# Allegro board SDHCalFEB20180110.brd (continued)
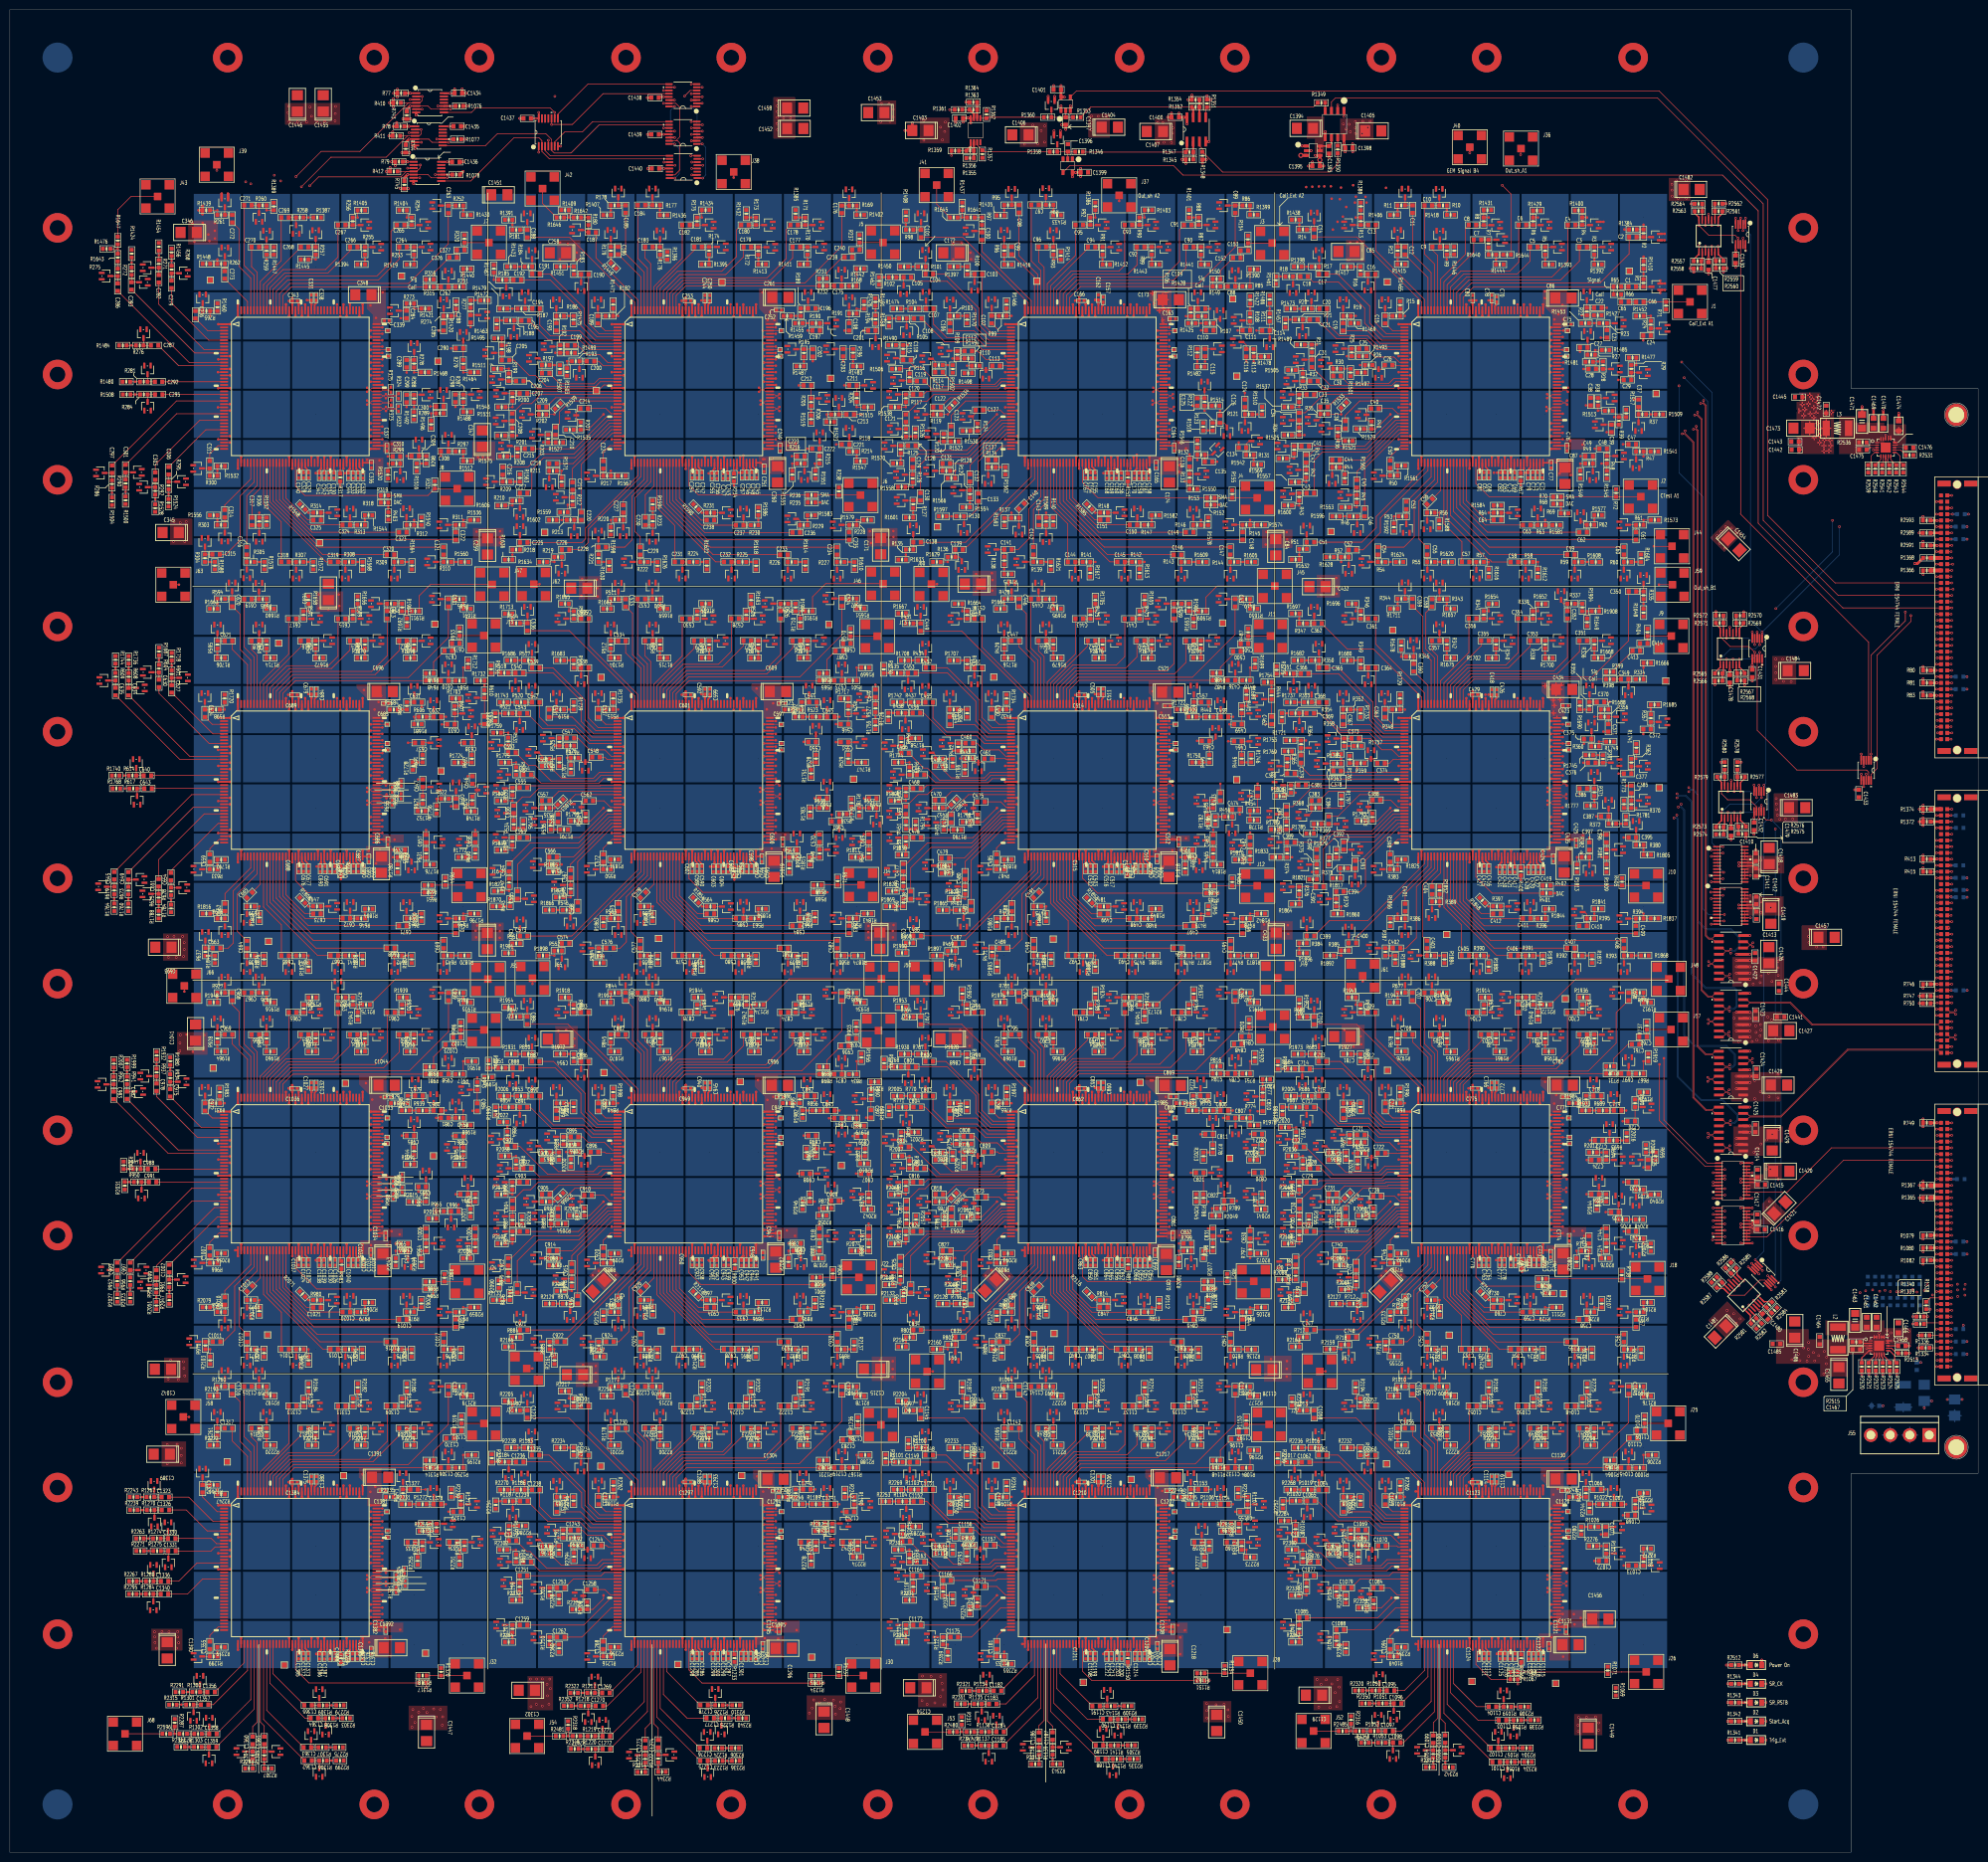
[diagram p0: board, top side]
## Routing (per net, layer and track width the routed paths; a pad name or vN(x,y) marks a point on that pad's centre or on a via; arc(x,y) is an arc through that point) (continued)
OUT_T&H_D: length 117.3
  TOP w0.127: v4(359,114.86) 358,115.86 U1069.8 ; v4(376.97,216.53) U1073.7
  SIG2 w0.127: v4(359,207.92) 365.81,207.92 374.42,216.53 v4(376.97,216.53)
  BOTTOM w0.127: v4(359,114.86) v4(359,207.92)
OUT_T&H_D1: length 65.1
  TOP w0.127: v4(353.68,111.2) U1081.3 ; U845.129 v1(306.57,74.5)
  GND1 w0.127: v1(306.57,74.5) v2(306.57,75.23)
  SIG3 w0.127: v4(353.68,111.2) 345.39,111.2 317.63,83.44 314.78,83.44 v2(306.57,75.23)
OUT_T&H_D2: length 146.4
  TOP w0.127: v4(354.6,112.12) U1081.5 ; U910.129 v1(226.56,74.5)
  GND1 w0.127: v1(226.56,74.5) v2(226.56,75.23)
  SIG3 w0.127: v4(354.6,112.12) 344.86,112.12 317.78,85.04 236.37,85.04 v2(226.56,75.23)
OUT_T&H_D3: length 225.3
  TOP w0.127: U975.129 v1(146.55,74.5) ; v4(351.6,115.12) U1081.10
  GND1 w0.127: v1(146.55,74.5) v2(146.55,75.23)
  SIG3 w0.127: v2(146.55,75.23) 158.44,87.12 317.91,87.12 343.87,113.08 350.8,113.08 351.6,113.88 v4(351.6,115.12)
OUT_T&H_D4: length 303.4
  TOP w0.127: U1040.129 v1(66.54,74.56) ; v4(350.68,114.2) 349.88,115
  GND1 w0.127: v1(66.54,74.56) v2(66.54,75.38)
  SIG3 w0.127: v2(66.54,75.38) 85.06,93.9 321.89,93.9 342.19,114.2 v4(350.68,114.2)
OUT_TRIG0B: length 298.7
  TOP w0.127: U1061.8 v4(138.48,344.76) ; J35.A27 v4(394.75,259.21)
  SIG2 w0.127: v4(138.48,344.76) 146.2,344.76 151.66,339.29 319.38,339.29 356.31,302.36 356.31,294 390.42,259.89 394.07,259.89 v4(394.75,259.21)
OUT_TRIG0B_A: length 384.3
  TOP w0.127: v4(80.87,343.52) U1060.1 ; v1(235.79,287.77) U130.85 ; U65.85 v1(313.41,287.77) ; U260.85 v1(73.38,287.77) ; v1(153.39,287.77) 154.57,287.77 U195.85 ; v4(138.66,342.16) U1061.4
  TOP w0.508: v4(80.87,343.52) 80.85,343.54 R79.2
  GND1 w0.127: v1(153.39,287.77) v2(152.65,287.77) ; v1(313.41,287.77) v2(312.67,287.77) ; v2(236.52,287.77) v1(235.79,287.77) ; v1(73.38,287.77) v2(72.64,287.77)
  SIG2 w0.127: v4(138.66,342.16) 133.68,342.16 132.99,342.85 127.53,342.85 126.36,344.02 81.37,344.02 v4(80.87,343.52) 65.86,328.51 65.86,294.55 v2(72.64,287.77) 79.11,287.77 80.42,286.46 106.5,286.46 107.12,287.08 118.55,287.08 119.81,285.83 129.82,285.83 131.76,287.77 v2(152.65,287.77) 180.73,287.77 182.73,285.78 208.31,285.78 210.3,287.77 v2(236.52,287.77) 239.23,287.77 246.41,280.59 288.52,280.59 293.09,285.17 306.27,285.17 308.88,287.77 v2(312.67,287.77)
OUT_TRIG0B_A&B: length 60.4
  TOP w0.127: v4(107.55,345.47) U1082.1 ; U1060.3 v4(80.87,342.22) ; v4(135.25,342.81) U1061.12
  SIG1 w0.127: v4(80.87,342.22) 104.3,342.22 v4(107.55,345.47) 132.6,345.47 v4(135.25,342.81)
OUT_TRIG0B_A&B&C&D: length 26.6
  TOP w0.127: U1082.3 108.85,345.79 109.88,344.76 U1061.9
OUT_TRIG0B_B: length 478.7
  TOP w0.127: U455.85 v1(153.39,207.76) ; U1060.4 82.73,341.57 83.48,342.32 v4(83.48,342.87) U1060.2 ; U1060.4 82.09,341.56 R412.2 ; U1060.4 80.63,341.57 79.53,340.46 62.8,340.46 v4(60.97,338.63) ; U390.85 v1(233.4,207.76) ; U325.85 v1(313.41,207.76) ; v4(140.89,342.81) U1061.5 ; U520.85 v1(73.38,207.76)
  GND1 w0.127: v1(73.38,207.76) v2(72.62,207.76) ; v1(313.41,207.76) v2(312.68,207.76) ; v1(153.39,207.76) v2(152.65,207.76) ; v1(233.4,207.76) v2(232.66,207.76)
  SIG2 w0.127: v4(60.97,338.63) 60.97,332.52 60.89,332.44 60.89,331.96 60.97,331.88 60.97,315.23 60.1,314.35 60.1,220.28 v2(72.62,207.76) 80.99,207.76 82.25,206.5 123.75,206.5 124.43,207.19 127,207.19 127.57,207.76 v2(152.65,207.76) 160.08,207.76 162.26,205.59 206.04,205.59 208.22,207.76 v2(232.66,207.76) 240.4,207.76 243.69,204.47 289.38,204.47 292.67,207.76 v2(312.68,207.76) ; v4(83.48,342.87) 126.53,342.87 127.89,341.5 139.59,341.5 v4(140.89,342.81)
OUT_TRIG0B_B&C: length 53.4
  TOP w0.127: U1060.6 v4(83.35,340.27) ; v4(133.02,343.46) U1061.11
  SIG1 w0.127: v4(83.35,340.27) 87.43,340.27 88.06,340.89 130.46,340.89 v4(133.02,343.46)
OUT_TRIG0B_C: length 557.4
  TOP w0.127: U715.85 v1(153.39,127.75) ; v4(80.87,340.92) U1060.5 85.04,340.92 85.69,340.27 U1060.9 v4(88.95,340.27) ; U585.85 v1(313.41,127.75) ; U1061.6 139.77,343.46 v4(138.66,343.46) ; U650.85 v1(233.4,127.75) ; U780.85 v1(73.38,127.75)
  TOP w0.508: v4(80.87,340.92) 80.23,340.27 R745.2
  GND1 w0.127: v1(73.38,127.75) v2(72.65,127.75) ; v1(313.41,127.75) v2(312.68,127.75) ; v1(233.4,127.75) v2(232.67,127.75) ; v1(153.39,127.75) v2(152.66,127.75)
  SIG1 w0.127: v4(80.87,340.92) 76.63,336.68 58.78,336.68 v2(56.26,334.16) ; v4(88.95,340.27) 133.79,340.27 134.44,340.92 136.12,340.92 v4(138.66,343.46)
  SIG2 w0.127: v2(312.68,127.75) 295.49,127.75 292.91,125.17 242.77,125.17 240.19,127.75 v2(232.67,127.75) 216.22,127.75 213.61,125.15 162.76,125.15 160.16,127.75 v2(152.66,127.75) 133.95,127.75 131.34,125.15 82.63,125.15 80.02,127.75 v2(72.65,127.75) 55.55,144.85 55.55,333.45 v2(56.26,334.16)
OUT_TRIG0B_C&D: length 53.1
  TOP w0.127: U1060.8 93.72,339.62 102.51,348.41 107.59,348.41 108.2,347.81 U1082.2 108.2,345.62 109.72,344.11 U1061.10
OUT_TRIG0B_D: length 640.1
  TOP w0.127: v4(140.89,344.11) U1061.7 ; U975.85 v1(153.39,47.74) ; U1040.85 v1(73.38,47.74) ; U845.85 v1(313.41,47.74) ; U910.85 v1(233.4,47.74) ; v4(86.51,340.92) U1060.10
  TOP w0.305: R1078.2 87.74,340.91 U1060.10
  GND1 w0.127: v1(73.38,47.74) v2(72.65,47.74) ; v1(313.41,47.74) v2(312.68,47.74) ; v1(153.39,47.74) v2(152.66,47.74) ; v1(233.4,47.74) v2(232.67,47.74)
  SIG2 w0.127: v2(312.68,47.74) v2(232.67,47.74) v2(152.66,47.74) v2(72.65,47.74) 49.94,70.45 v2(49.94,328.85)
  SIG3 w0.127: v2(49.94,328.85) 57.02,335.94 81.54,335.94 v4(86.51,340.92) 134.9,340.92 138.09,344.11 v4(140.89,344.11)
OUT_TRIG1B: length 302.2
  TOP w0.127: J35.A29 v4(395.07,261.75) ; U1067.8 v4(138.53,351.69)
  SIG2 w0.127: v4(395.07,261.75) 394.43,261.11 390.47,261.11 357.2,294.39 357.2,304.01 314.96,346.25 151.36,346.25 145.92,351.69 v4(138.53,351.69)
OUT_TRIG1B_A: length 395.3
  TOP w0.127: U260.84 v1(75.74,287.12) ; v1(155.75,287.12) U195.84 ; v4(138.58,349.09) U1067.4 ; U65.84 v1(315.77,287.12) ; v4(81.18,350.73) U1064.1 ; v1(233.4,287.12) U130.84
  TOP w0.508: v4(81.18,350.73) 81.17,350.72 R78.1
  GND1 w0.127: v2(156.49,287.12) v1(155.75,287.12) ; v1(233.4,287.12) v2(232.66,287.12) ; v1(75.74,287.12) v2(76.48,287.12) ; v1(315.77,287.12) v2(315.04,287.12)
  SIG2 w0.127: v2(315.04,287.12) 309.5,287.12 305.59,283.21 292.46,283.21 289,279.76 246.2,279.76 239.33,286.63 239.33,286.65 239,286.98 238.98,286.98 238.84,287.12 v2(232.66,287.12) 210.92,287.12 208.86,285.06 182.14,285.06 180.09,287.12 v2(156.49,287.12) 132.13,287.12 130.25,285.24 80.77,285.24 78.89,287.12 v2(76.48,287.12) 71.81,287.12 65.23,293.7 65.23,334.78 v4(81.18,350.73) 81.7,351.26 105.99,351.26 106.31,351.57 136.1,351.57 v4(138.58,349.09)
OUT_TRIG1B_A&B: length 59.1
  TOP w0.127: v4(135.18,349.74) U1067.12 ; v4(109.5,347.9) U1082.4 ; U1064.3 v4(81.2,349.43)
  SIG1 w0.127: v4(135.18,349.74) 126.93,349.74 125.09,347.9 v4(109.5,347.9) 104.7,347.9 104.44,347.65 91.55,347.65 89.76,349.43 v4(81.2,349.43)
OUT_TRIG1B_A&B&C&D: length 25.8
  TOP w0.127: U1067.9 118.52,351.69 116.46,349.63 112.88,349.63 110.8,347.55 U1082.6
OUT_TRIG1B_B: length 487.8
  TOP w0.127: U455.84 v1(155.75,207.11) ; 80.86,348.78 U1064.4 83.25,348.78 83.62,349.15 v4(83.62,350.08) U1064.2 ; 80.86,348.78 76.53,344.45 65.3,344.45 v4(59.28,338.43) ; 80.86,348.78 80.86,348.78 R411.1 ; v4(140.82,349.74) U1067.5 ; U390.84 v1(235.76,207.11) ; U325.84 v1(315.77,207.11) ; U520.84 v1(75.74,207.11)
  GND1 w0.127: v1(75.74,207.11) v2(76.48,207.11) ; v1(155.75,207.11) v2(156.49,207.11) ; v1(235.76,207.11) v2(236.5,207.11) ; v1(315.77,207.11) v2(316.96,207.11)
  SIG1 w0.127: v4(140.82,349.74) 139.48,351.08 122.48,351.08 120.52,349.12 92.35,349.12 91.4,350.08 v4(83.62,350.08)
  SIG2 w0.127: v4(59.28,338.43) 59.28,323.32 59.41,323.19 59.41,219.91 72.21,207.11 v2(76.48,207.11) 80.57,207.11 81.79,205.89 127.25,205.89 128.47,207.11 v2(156.49,207.11) 159.67,207.11 161.75,205.03 206.63,205.03 208.71,207.11 v2(236.5,207.11) 240.08,207.11 243.71,203.48 289.94,203.48 293.57,207.11 v2(316.96,207.11)
OUT_TRIG1B_B&C: length 52.9
  TOP w0.127: U1064.6 v4(83.7,347.48) ; v4(132.94,350.39) U1067.11
  SIG2 w0.127: v4(83.7,347.48) 84.91,348.69 108.05,348.69 109.75,350.39 v4(132.94,350.39)
OUT_TRIG1B_C: length 570
  TOP w0.127: v1(315.78,127.1) U585.84 ; v4(89.26,347.48) U1064.9 85.84,347.48 85.19,348.13 U1064.5 v4(81.18,348.13) ; U1067.6 v4(138.58,350.39) ; U715.84 v1(155.75,127.1) ; U780.84 v1(75.74,127.1) ; U650.84 v1(235.76,127.1)
  TOP w0.508: v4(81.18,348.13) 80.5,347.45 R744.1
  GND1 w0.127: v1(235.76,127.1) v2(236.5,127.1) ; v1(315.78,127.1) v2(316.51,127.1) ; v1(155.75,127.1) v2(156.49,127.1) ; v1(75.74,127.1) v2(76.48,127.1)
  SIG1 w0.127: v4(55.07,339.62) 63.57,348.13 v4(81.18,348.13) ; v4(89.26,347.48) 90.03,346.71 110.36,346.71 111.26,347.61 135.8,347.61 v4(138.58,350.39)
  SIG2 w0.127: v2(316.51,127.1) 296.01,127.1 293.42,124.51 242.47,124.51 239.88,127.1 v2(236.5,127.1) 216.63,127.1 214.15,124.61 162.41,124.61 159.92,127.1 v2(156.49,127.1) 134.77,127.1 132.31,124.64 82.27,124.64 79.81,127.1 v2(76.48,127.1) 71.99,127.1 54.74,144.35 54.74,339.29 v4(55.07,339.62)
OUT_TRIG1B_C&D: length 52.3
  TOP w0.127: U1067.10 119.85,351.04 114.12,345.31 110.69,345.31 110.15,345.86 U1082.5 110.15,348.07 108.97,349.25 99.16,349.25 96.74,346.83 U1064.8
OUT_TRIG1B_D: length 655.2
  TOP w0.127: U845.84 v1(315.78,47.09) ; U975.84 v1(155.75,47.09) ; v4(86.82,348.13) 88.03,348.13 U1064.10 ; v4(140.82,351.04) U1067.7 ; U1040.84 v1(75.74,47.09) ; U910.84 v1(235.76,47.09)
  TOP w0.305: U1064.10 88.05,348.12 R1077.1
  GND1 w0.127: v1(75.74,47.09) v2(76.48,47.09) ; v1(235.76,47.09) v2(236.5,47.09) ; v1(315.78,47.09) v2(316.51,47.09) ; v1(155.75,47.09) v2(156.49,47.09)
  SIG2 w0.127: v2(316.51,47.09) v2(236.5,47.09) v2(156.49,47.09) v2(76.48,47.09) 71.91,47.09 49,70 v4(49,339.04)
  SIG3 w0.127: v4(140.82,351.04) 137.73,351.04 135.6,348.91 134.81,348.91 134.38,348.49 101.63,348.49 101.4,348.72 87.4,348.72 v4(86.82,348.13) 83.48,344.8 54.75,344.8 v4(49,339.04)
OUT_TRIG2B: length 306.3
  TOP w0.127: v4(394.75,264.29) J35.A31 ; U1071.8 v4(138.56,359.31)
  SIG2 w0.127: v4(138.56,359.31) 145.85,359.31 156.39,348.77 318.41,348.77 358.01,309.17 358.01,294.92 389.28,263.65 394.12,263.65 v4(394.75,264.29)
OUT_TRIG2B_A: length 405.5
  TOP w0.127: U65.83 v1(313.41,286.47) ; U260.83 v1(73.38,286.47) ; v1(235.76,286.47) U130.83 ; v1(153.37,286.47) 154.57,286.47 U195.83 ; v4(81.41,357.46) U1068.1 ; v4(140.79,356.71) U1071.4
  TOP w0.508: v4(81.41,357.46) 81.4,357.46 R77.2
  GND1 w0.127: v1(73.38,286.47) v2(72.64,286.47) ; v2(152.63,286.47) v1(153.37,286.47) ; v1(313.41,286.47) v2(312.67,286.47) ; v1(235.76,286.47) v2(235.03,286.47)
  SIG2 w0.127: v2(312.67,286.47) 310.98,286.47 302.77,278.26 243.24,278.26 v2(235.03,286.47) 211.39,286.47 208.58,283.67 161.01,283.67 158.21,286.47 v2(152.63,286.47) 132.52,286.47 130.51,284.45 74.66,284.45 v2(72.64,286.47) 70.86,286.47 64.59,292.74 64.59,340.64 81.41,357.45 v4(81.41,357.46) 83.31,359.36 136.19,359.36 137.59,357.96 139.54,357.96 v4(140.79,356.71)
OUT_TRIG2B_A&B: length 60.4
  TOP w0.127: U1071.12 120.63,357.36 114.38,351.1 v4(110.15,351.1) U1082.10 ; U1068.3 v4(81.41,356.16)
  SIG1 w0.127: v4(110.15,351.1) 110.15,352.16 106.14,356.16 v4(81.41,356.16)
OUT_TRIG2B_A&B&C&D: length 26
  TOP w0.127: U1082.8 111.45,353.21 117.55,359.31 U1071.9
OUT_TRIG2B_B: length 488.2
  TOP w0.127: U325.83 v1(313.41,206.46) ; R410.2 82.62,355.51 U1068.4 ; v4(58.17,340.51) 63.3,345.64 71.2,345.64 81.06,355.51 U1068.4 ; U1068.4 83.38,355.51 83.85,355.98 v4(83.85,356.81) U1068.2 ; U455.83 v1(153.39,206.46) ; U390.83 v1(233.4,206.46) ; v4(138.56,357.36) U1071.5 ; U520.83 v1(73.38,206.46)
  GND1 w0.127: v1(233.4,206.46) v2(232.66,206.46) ; v1(313.41,206.46) v2(312.43,206.46) ; v1(73.38,206.46) v2(72.64,206.46) ; v1(153.39,206.46) v2(152.65,206.46)
  SIG1 w0.127: v4(83.85,356.81) v4(110.83,356.81)
  SIG2 w0.127: v4(58.17,340.51) 58.17,282.57 58.17,281.4 58.75,280.81 58.75,219.23 71.52,206.46 v2(72.64,206.46) 80.38,206.46 81.76,205.08 127.36,205.08 128.74,206.46 v2(152.65,206.46) 159.2,206.46 161.11,204.55 207.52,204.55 209.43,206.46 v2(232.66,206.46) 239.77,206.46 243.46,202.77 290.5,202.77 294.19,206.46 v2(312.43,206.46) ; v4(138.56,357.36) 134.63,357.36 133.3,356.03 111.61,356.03 v4(110.83,356.81)
OUT_TRIG2B_B&C: length 53
  TOP w0.127: v4(132.92,358.01) U1071.11 ; U1068.6 v4(83.81,354.21)
  SIG2 w0.127: v4(132.92,358.01) 94.79,358.01 93.22,356.44 86.04,356.44 v4(83.81,354.21)
OUT_TRIG2B_C: length 572
  TOP w0.127: v4(137.2,356.86) 138.35,358.01 U1071.6 ; U780.83 v1(73.38,126.45) ; U715.83 v1(153.39,126.45) ; v4(89.62,354.21) U1068.9 85.67,354.21 85.02,354.86 U1068.5 v4(81.41,354.86) ; U585.83 v1(313.41,126.45) ; U650.83 v1(233.4,126.45)
  TOP w0.508: R743.2 80.71,354.17 v4(81.41,354.86)
  GND1 w0.127: v1(153.39,126.45) v2(152.66,126.45) ; v1(233.4,126.45) v2(232.67,126.45) ; v1(313.41,126.45) v2(312.68,126.45) ; v1(73.38,126.45) v2(72.65,126.45)
  SIG1 w0.127: v4(81.41,354.86) 79.47,354.86 75.21,350.6 63.58,350.6 v4(53.77,340.79)
  SIG2 w0.127: v4(89.62,354.21) 133.69,354.21 135.07,355.59 135.4,355.59 135.67,355.87 135.67,356.19 136.33,356.86 v4(137.2,356.86) ; v2(312.68,126.45) 296.55,126.45 293.88,123.77 242.32,123.77 239.64,126.45 v2(232.67,126.45) 217.38,126.45 214.93,124 162.2,124 159.76,126.45 v2(152.66,126.45) 135.44,126.45 133.07,124.08 82.02,124.08 79.65,126.45 v2(72.65,126.45) 71.26,126.45 53.77,143.94 v4(53.77,340.79)
OUT_TRIG2B_C&D: length 52.1
  TOP w0.127: U1068.8 93.87,353.56 94.74,354.43 109.91,354.43 v4(110.8,353.54) U1082.9 ; v4(135.15,358.66) U1071.10
  SIG1 w0.127: v4(110.8,353.54) 115.92,358.66 v4(135.15,358.66)
OUT_TRIG2B_D: length 657.6
  TOP w0.127: v4(140.79,358.66) U1071.7 ; U845.83 v1(313.41,46.44) ; U910.83 v1(233.4,46.44) ; U1040.83 v1(73.38,46.44) ; U975.83 v1(153.39,46.44) ; v4(87.05,354.86) U1068.10
  TOP w0.305: R1076.2 88.27,354.85 U1068.10
  GND1 w0.127: v1(153.39,46.44) v2(152.66,46.44) ; v1(313.41,46.44) v2(312.68,46.44) ; v1(233.4,46.44) v2(232.67,46.44) ; v1(73.38,46.44) v2(72.65,46.44)
  SIG2 w0.127: v2(312.68,46.44) v2(232.67,46.44) v2(152.66,46.44) v2(72.65,46.44) 71.16,46.44 47.96,69.65 v4(47.96,339.45)
  SIG3 w0.127: v4(140.79,358.66) 138.66,356.53 138.36,356.53 138.35,356.51 137.52,356.51 136.53,355.52 133.47,355.52 133.11,355.88 132.72,355.88 132.47,355.63 87.81,355.63 v4(87.05,354.86) 82.25,350.06 58.57,350.06 v4(47.96,339.45)
PWR_ON_A: length 45.2
  TOP w0.127: U1052.14 U1052.15 ; U1052.15 361.49,134.19 370.44,143.13 J33.B36 ; U1052.15 U1052.16 U1052.17
PWR_ON_A_A: length 431.5
  TOP w0.127: v1(153.39,290.37) 153.54,290.37 153.55,290.37 154.57,290.37 U195.89 ; U1052.9 v4(348.73,134.84) ; U260.89 v1(73.38,290.37) ; U65.89 v1(313.41,290.37) ; v1(235.76,290.37) U130.89
  GND1 w0.127: v1(73.38,290.37) v2(72.64,290.37) ; v2(152.65,290.37) v1(153.39,290.37) ; v1(313.41,290.37) v2(312.67,290.37) ; v2(236.5,290.37) v1(235.76,290.37)
  SIG2 w0.127: v2(337.93,271.78) 337.93,272.31 319.86,290.37 v2(312.67,290.37) 306.35,290.37 303.91,287.93 288.9,287.93 285.83,284.86 246,284.86 240.49,290.37 v2(236.5,290.37) 235.95,290.37 235.95,290.37 v2(152.65,290.37) 128.47,290.37 127.81,289.71 80.67,289.71 80.01,290.37 v2(72.64,290.37)
  SIG3 w0.127: v4(348.73,134.84) 337.16,146.41 337.16,153.82 334.57,156.41 334.57,162.08 337.93,165.43 v2(337.93,271.78)
PWR_ON_A_B: length 344.4
  TOP w0.127: U325.89 v1(313.41,210.36) ; U520.89 v1(73.38,210.36) ; U455.89 v1(153.39,210.36) ; U390.89 v1(233.4,210.36) ; U1052.10 v4(346.37,134.19)
  GND1 w0.127: v1(73.38,210.36) v2(72.64,210.36) ; v1(313.41,210.36) v2(312.68,210.36) ; v1(233.4,210.36) v2(232.66,210.36) ; v1(153.39,210.36) v2(152.65,210.36)
  SIG2 w0.127: v2(333.71,163.3) 333.71,192.68 322.35,204.04 322.35,206.83 318.82,210.36 v2(312.68,210.36) 290.09,210.36 288.75,209.02 243.13,209.02 241.79,210.36 v2(232.66,210.36) 200.83,210.36 199.97,209.5 165.28,209.5 164.42,210.36 v2(152.65,210.36) 73.19,210.36 73.19,210.36 v2(72.64,210.36)
  SIG3 w0.127: v4(346.37,134.19) 336.02,144.54 336.02,153.85 333.71,156.16 v2(333.71,163.3)
PWR_ON_A_C: length 288
  TOP w0.127: U650.89 v1(233.4,130.35) ; U585.89 v1(313.41,130.35) ; U1052.11 v4(348.73,133.54) ; U780.89 v1(73.38,130.35) ; U715.89 v1(153.39,130.35)
  GND1 w0.127: v1(73.38,130.35) v2(72.65,130.35) ; v1(313.41,130.35) v2(312.68,130.35) ; v1(153.39,130.35) v2(152.66,130.35) ; v1(233.4,130.35) v2(232.67,130.35)
  SIG1 w0.127: v4(348.73,133.54) 346.87,131.67 v2(330.68,131.67)
  SIG2 w0.127: v2(330.68,131.67) 330.14,131.67 330.09,131.62 323.95,131.62 322.68,130.35 v2(312.68,130.35) 293.85,130.35 293.12,129.62 242.14,129.62 241.4,130.35 v2(232.67,130.35) 212.85,130.35 212.19,129.69 162.15,129.69 161.5,130.35 v2(152.66,130.35) 131.59,130.35 130.94,129.69 82.8,129.69 82.15,130.35 v2(72.65,130.35)
PWR_ON_A_D: length 358.5
  TOP w0.127: U845.89 v1(313.41,50.34) ; U910.89 v1(233.4,50.34) ; U975.89 v1(153.39,50.34) ; U1052.12 v4(346.37,132.89) ; U1040.89 v1(73.38,50.34)
  GND1 w0.127: v1(313.41,50.34) v2(312.68,50.34) ; v1(153.39,50.34) v2(152.66,50.34) ; v1(73.38,50.34) v2(72.65,50.34) ; v1(233.4,50.34) v2(232.67,50.34)
  SIG2 w0.127: v4(346.37,132.89) 345.62,132.14 345.62,60.86 335.13,50.37 313.25,50.37 313.22,50.34 v2(312.68,50.34) v2(232.67,50.34) v2(152.66,50.34) v2(72.65,50.34)
PWR_ON_ADC: length 49.4
  TOP w0.127: U1053.22 v4(354.33,129.62) ; U1053.22 U1053.21 U1053.20 ; U1053.22 U1053.23 ; J33.A35 v4(394.75,141.86)
  SIG2 w0.127: v4(354.33,129.62) 358.68,129.62 370.31,141.25 394.14,141.25 v4(394.75,141.86)
PWR_ON_ADC_A: length 430.2
  TOP w0.127: U260.88 v1(75.74,289.72) ; v1(155.75,289.72) 154.57,289.72 U195.88 ; U65.88 v1(315.77,289.72) ; U1053.1 v4(346.36,130.92) ; v1(233.4,289.72) U130.88
  GND1 w0.127: v2(232.66,289.72) v1(233.4,289.72) ; v2(156.49,289.72) v1(155.75,289.72) ; v1(75.74,289.72) v2(76.48,289.72) ; v1(315.77,289.72) v2(315.04,289.72)
  SIG2 w0.127: v2(337.13,269.93) 337.13,271.88 319.3,289.72 v2(315.04,289.72) 306.81,289.72 304.5,287.4 290.4,287.4 287.25,284.25 245.64,284.25 240.18,289.72 v2(232.66,289.72) v2(156.49,289.72) 129.06,289.72 128.45,289.1 80.34,289.1 79.72,289.72 v2(76.48,289.72)
  SIG3 w0.127: v2(337.13,269.93) 337.06,269.85 337.06,168.12 332.97,164.03 332.97,155.6 335.33,153.24 335.33,141.95 v4(346.36,130.92)
PWR_ON_ADC_B: length 349.1
  TOP w0.127: U520.88 v1(75.74,209.71) ; U1053.2 v4(348.73,130.27) ; U325.88 v1(315.77,209.71) ; U455.88 v1(155.75,209.71) ; U390.88 v1(235.76,209.71) U390.88
  GND1 w0.127: v1(75.74,209.71) v2(76.48,209.71) ; v1(235.76,209.71) v2(236.5,209.71) ; v1(315.77,209.71) v2(316.51,209.71) ; v1(155.75,209.71) v2(156.49,209.71)
  SIG2 w0.127: v2(76.48,209.71) 77.03,209.71 v2(156.49,209.71) 163.95,209.71 164.8,208.86 200.69,208.86 201.53,209.71 v2(236.5,209.71) 241.22,209.71 244.09,206.83 279.15,206.83 280.75,208.43 289.53,208.43 290.81,209.71 v2(316.51,209.71) 318.34,209.71 320.44,207.6 320.44,207.52 320.45,207.52 320.45,203.66 331.11,192.99 331.11,182.66 330.89,182.44 330.89,181.96 331.11,181.74 v2(331.11,161.16)
  SIG3 w0.127: v2(331.11,161.16) 331.11,156.11 334.72,152.5 334.72,140.94 345.4,130.27 v4(348.73,130.27)
PWR_ON_ADC_C: length 280.5
  TOP w0.127: U715.88 v1(155.75,129.7) ; U1053.3 v4(346.38,129.62) ; v1(235.76,129.7) U650.88 ; U780.88 v1(75.74,129.7) ; U585.88 v1(315.78,129.7)
  GND1 w0.127: v1(155.75,129.7) v2(156.49,129.7) ; v1(235.76,129.7) v2(236.5,129.7) ; v1(315.78,129.7) v2(316.51,129.7) ; v1(75.74,129.7) v2(76.48,129.7)
  SIG1 w0.127: v4(346.38,129.62) v2(331.9,129.62)
  SIG2 w0.127: v2(76.48,129.7) 82.09,129.7 82.73,129.06 131.42,129.06 132.06,129.7 v2(156.49,129.7) 161.18,129.7 161.85,129.03 212.88,129.03 213.55,129.7 v2(236.5,129.7) 241.19,129.7 241.91,128.98 293.55,128.98 294.27,129.7 312.69,129.7 312.7,129.71 313.1,129.71 313.1,129.7 v2(316.51,129.7) 331.27,129.7 331.35,129.62 v2(331.9,129.62)
PWR_ON_ADC_D: length 352.8
  TOP w0.127: U1040.88 v1(75.74,49.69) ; U910.88 v1(235.76,49.69) ; U845.88 v1(315.78,49.69) ; U975.88 v1(155.75,49.69) ; v4(348.73,128.97) U1053.4
  GND1 w0.127: v1(235.76,49.69) v2(236.5,49.69) ; v1(315.78,49.69) v2(316.51,49.69) ; v1(155.75,49.69) v2(156.49,49.69) ; v1(75.74,49.69) v2(76.48,49.69)
  SIG2 w0.127: v2(76.48,49.69) v2(156.49,49.69) v2(236.5,49.69) v2(316.51,49.69) 335.79,49.69 347.05,60.95 347.05,127.29 v4(348.73,128.97)
PWR_ON_D: length 46.9
  TOP w0.127: v4(354.33,138.09) U1052.21 ; U1052.21 U1052.20 ; U1052.21 U1052.22 U1052.23 ; J33.A37 v4(394.75,144.4)
  SIG2 w0.127: v4(394.75,144.4) 394.09,143.74 370.28,143.74 364.63,138.09 v4(354.33,138.09)
PWR_ON_D_A: length 424.2
  TOP w0.127: U195.90 154.57,291.02 v1(155.75,291.02) ; U65.90 v1(315.77,291.02) ; v1(233.4,291.02) U130.90 ; v1(336.35,161.34) 336.35,148.79 345.1,140.04 U1052.1 ; U260.90 v1(75.74,291.02)
  GND1 w0.127: v1(315.77,291.02) v2(316.51,291.02) ; v1(75.74,291.02) v2(76.48,291.02) ; v1(336.35,161.34) v2(336.35,162.08) ; v1(233.4,291.02) v2(232.66,291.02) ; v2(156.49,291.02) v1(155.75,291.02)
  SIG2 w0.127: v2(338.32,273.21) 320.51,291.02 v2(316.51,291.02) 305.7,291.02 303.25,288.57 282.45,288.57 279.35,285.47 246.3,285.47 240.75,291.02 v2(232.66,291.02) v2(156.49,291.02) 127.77,291.02 127,290.25 81.15,290.25 80.38,291.02 v2(76.48,291.02)
  SIG3 w0.127: v2(338.32,273.21) 340.77,270.76 340.77,166.5 v2(336.35,162.08)
PWR_ON_D_B: length 337.5
  TOP w0.127: U325.90 v1(315.77,211.01) ; U520.90 v1(75.74,211.01) ; v1(335.46,160.1) 335.46,148.64 344.71,139.39 U1052.2 ; U455.90 v1(155.83,211.01) ; v1(235.76,211.01) U390.90
  GND1 w0.127: v1(335.46,160.1) v2(335.46,160.83) ; v1(155.83,211.01) v2(156.57,211.01) ; v1(75.74,211.01) v2(76.48,211.01) ; v1(235.76,211.01) v2(236.5,211.01) ; v1(315.77,211.01) v2(316.51,211.01)
  SIG2 w0.127: v2(76.48,211.01) 77.03,211.01 77.03,211.01 v2(156.57,211.01) 164.91,211.01 165.71,210.21 199.64,210.21 200.44,211.01 v2(236.5,211.01) 241.97,211.01 243.28,209.7 288.16,209.7 289.47,211.01 v2(316.51,211.01) 319.7,211.01 324.26,206.45 324.26,203.43 335.46,192.23 v2(335.46,160.83)
PWR_ON_D_C: length 286
  TOP w0.127: U1052.3 v4(348.73,138.74) ; U650.90 v1(235.76,131) ; U715.90 v1(155.75,131) ; U780.90 v1(75.74,131) ; v1(315.78,131) U585.90
  GND1 w0.127: v1(75.74,131) v2(76.48,131) ; v1(155.75,131) v2(156.49,131) ; v1(235.76,131) v2(236.5,131) ; v1(315.78,131) v2(316.51,131)
  SIG1 w0.127: v2(327.25,134.49) 343.53,134.49 347.78,138.74 v4(348.73,138.74)
  SIG2 w0.127: v2(76.48,131) 82.16,131 82.8,130.35 130.53,130.35 131.18,131 v2(156.49,131) 161.76,131 162.46,130.3 211.3,130.3 212,131 v2(236.5,131) 241.67,131 242.39,130.28 292.66,130.28 293.38,131 v2(316.51,131) 320.48,131 323.98,134.49 v2(327.25,134.49)
PWR_ON_D_D: length 358.8
  TOP w0.127: U910.90 v1(235.76,50.99) ; U1052.4 v4(346.37,138.09) ; U1040.90 v1(75.74,50.99) ; U845.90 v1(315.78,50.99) ; U975.90 v1(155.75,50.99)
  GND1 w0.127: v1(75.74,50.99) v2(76.48,50.99) ; v1(235.76,50.99) v2(236.5,50.99) ; v1(315.78,50.99) v2(316.51,50.99) ; v1(155.75,50.99) v2(156.49,50.99)
  SIG2 w0.127: v2(76.48,50.99) v2(156.49,50.99) v2(236.5,50.99) v2(316.51,50.99) 334.43,50.99 344.96,61.52 344.96,136.68 v4(346.37,138.09)
PWR_ON_DAC: length 47.9
  TOP w0.127: U1053.15 U1053.16 U1053.17 ; U1053.15 U1053.14 ; U1053.15 357.3,125.07 372.82,140.59 J33.B34
PWR_ON_DAC_A: length 438.1
  TOP w0.127: U65.87 v1(313.41,289.07) ; v1(153.39,289.07) U195.87 ; U195.87 154.57,289.07 U195.87 ; U260.87 v1(73.38,289.07) ; v1(235.81,289.07) U130.87 ; U1053.9 v4(346.27,125.72)
  GND1 w0.127: v1(73.38,289.07) v2(74.12,289.07) ; v2(236.55,289.07) v1(235.81,289.07) ; v2(152.65,289.07) v1(153.39,289.07) ; v1(313.41,289.07) v2(314.15,289.07)
  SIG2 w0.127: v2(74.12,289.07) 79.56,289.07 80.18,288.46 128.97,288.46 129.58,289.07 v2(152.65,289.07) v2(236.55,289.07) 239.91,289.07 245.41,283.57 288.24,283.57 291.26,286.59 305.03,286.59 307.51,289.07 v2(314.15,289.07) 318.78,289.07 v2(336.17,271.68)
  SIG3 w0.127: v4(346.27,125.72) 338.94,133.05 338.94,134.49 330.57,142.86 330.57,160.9 330.54,160.93 330.54,161.4 330.57,161.43 330.57,165.11 336.17,170.71 v2(336.17,271.68)
PWR_ON_DAC_B: length 355.1
  TOP w0.127: U325.87 v1(313.41,209.06) ; U455.87 v1(153.39,209.06) ; U390.87 v1(233.4,209.06) ; U520.87 v1(73.38,209.06) ; U1053.10 v4(348.73,125.07)
  GND1 w0.127: v1(153.39,209.06) v2(152.65,209.06) ; v1(73.38,209.06) v2(74.12,209.06) ; v1(233.4,209.06) v2(232.66,209.06) ; v1(313.41,209.06) v2(312.45,209.06)
  SIG2 w0.127: v2(74.12,209.06) v2(152.65,209.06) 163.46,209.06 164.64,207.87 200.86,207.87 202.05,209.06 v2(232.66,209.06) 240.83,209.06 244.07,205.82 288.11,205.82 291.36,209.06 v2(312.45,209.06) 317.28,209.06 319.07,207.26 319.07,203.68 328.76,194 v2(328.76,162.56)
  SIG3 w0.127: v2(328.76,162.56) 328.76,143.58 337.67,134.67 337.67,132.36 344.96,125.07 v4(348.73,125.07)
PWR_ON_DAC_C: length 287.7
  TOP w0.127: U715.87 v1(153.39,129.05) ; U650.87 v1(233.4,129.05) ; U780.87 v1(73.38,129.05) ; U1053.11 v4(346.24,124.42) ; U585.87 v1(313.41,129.05)
  GND1 w0.127: v1(153.39,129.05) v2(152.66,129.05) ; v1(73.38,129.05) v2(72.65,129.05) ; v1(313.41,129.05) v2(312.68,129.05) ; v1(233.4,129.05) v2(232.67,129.05)